# Altium PCB board.PcbDoc (part 2 of 3) (continued)
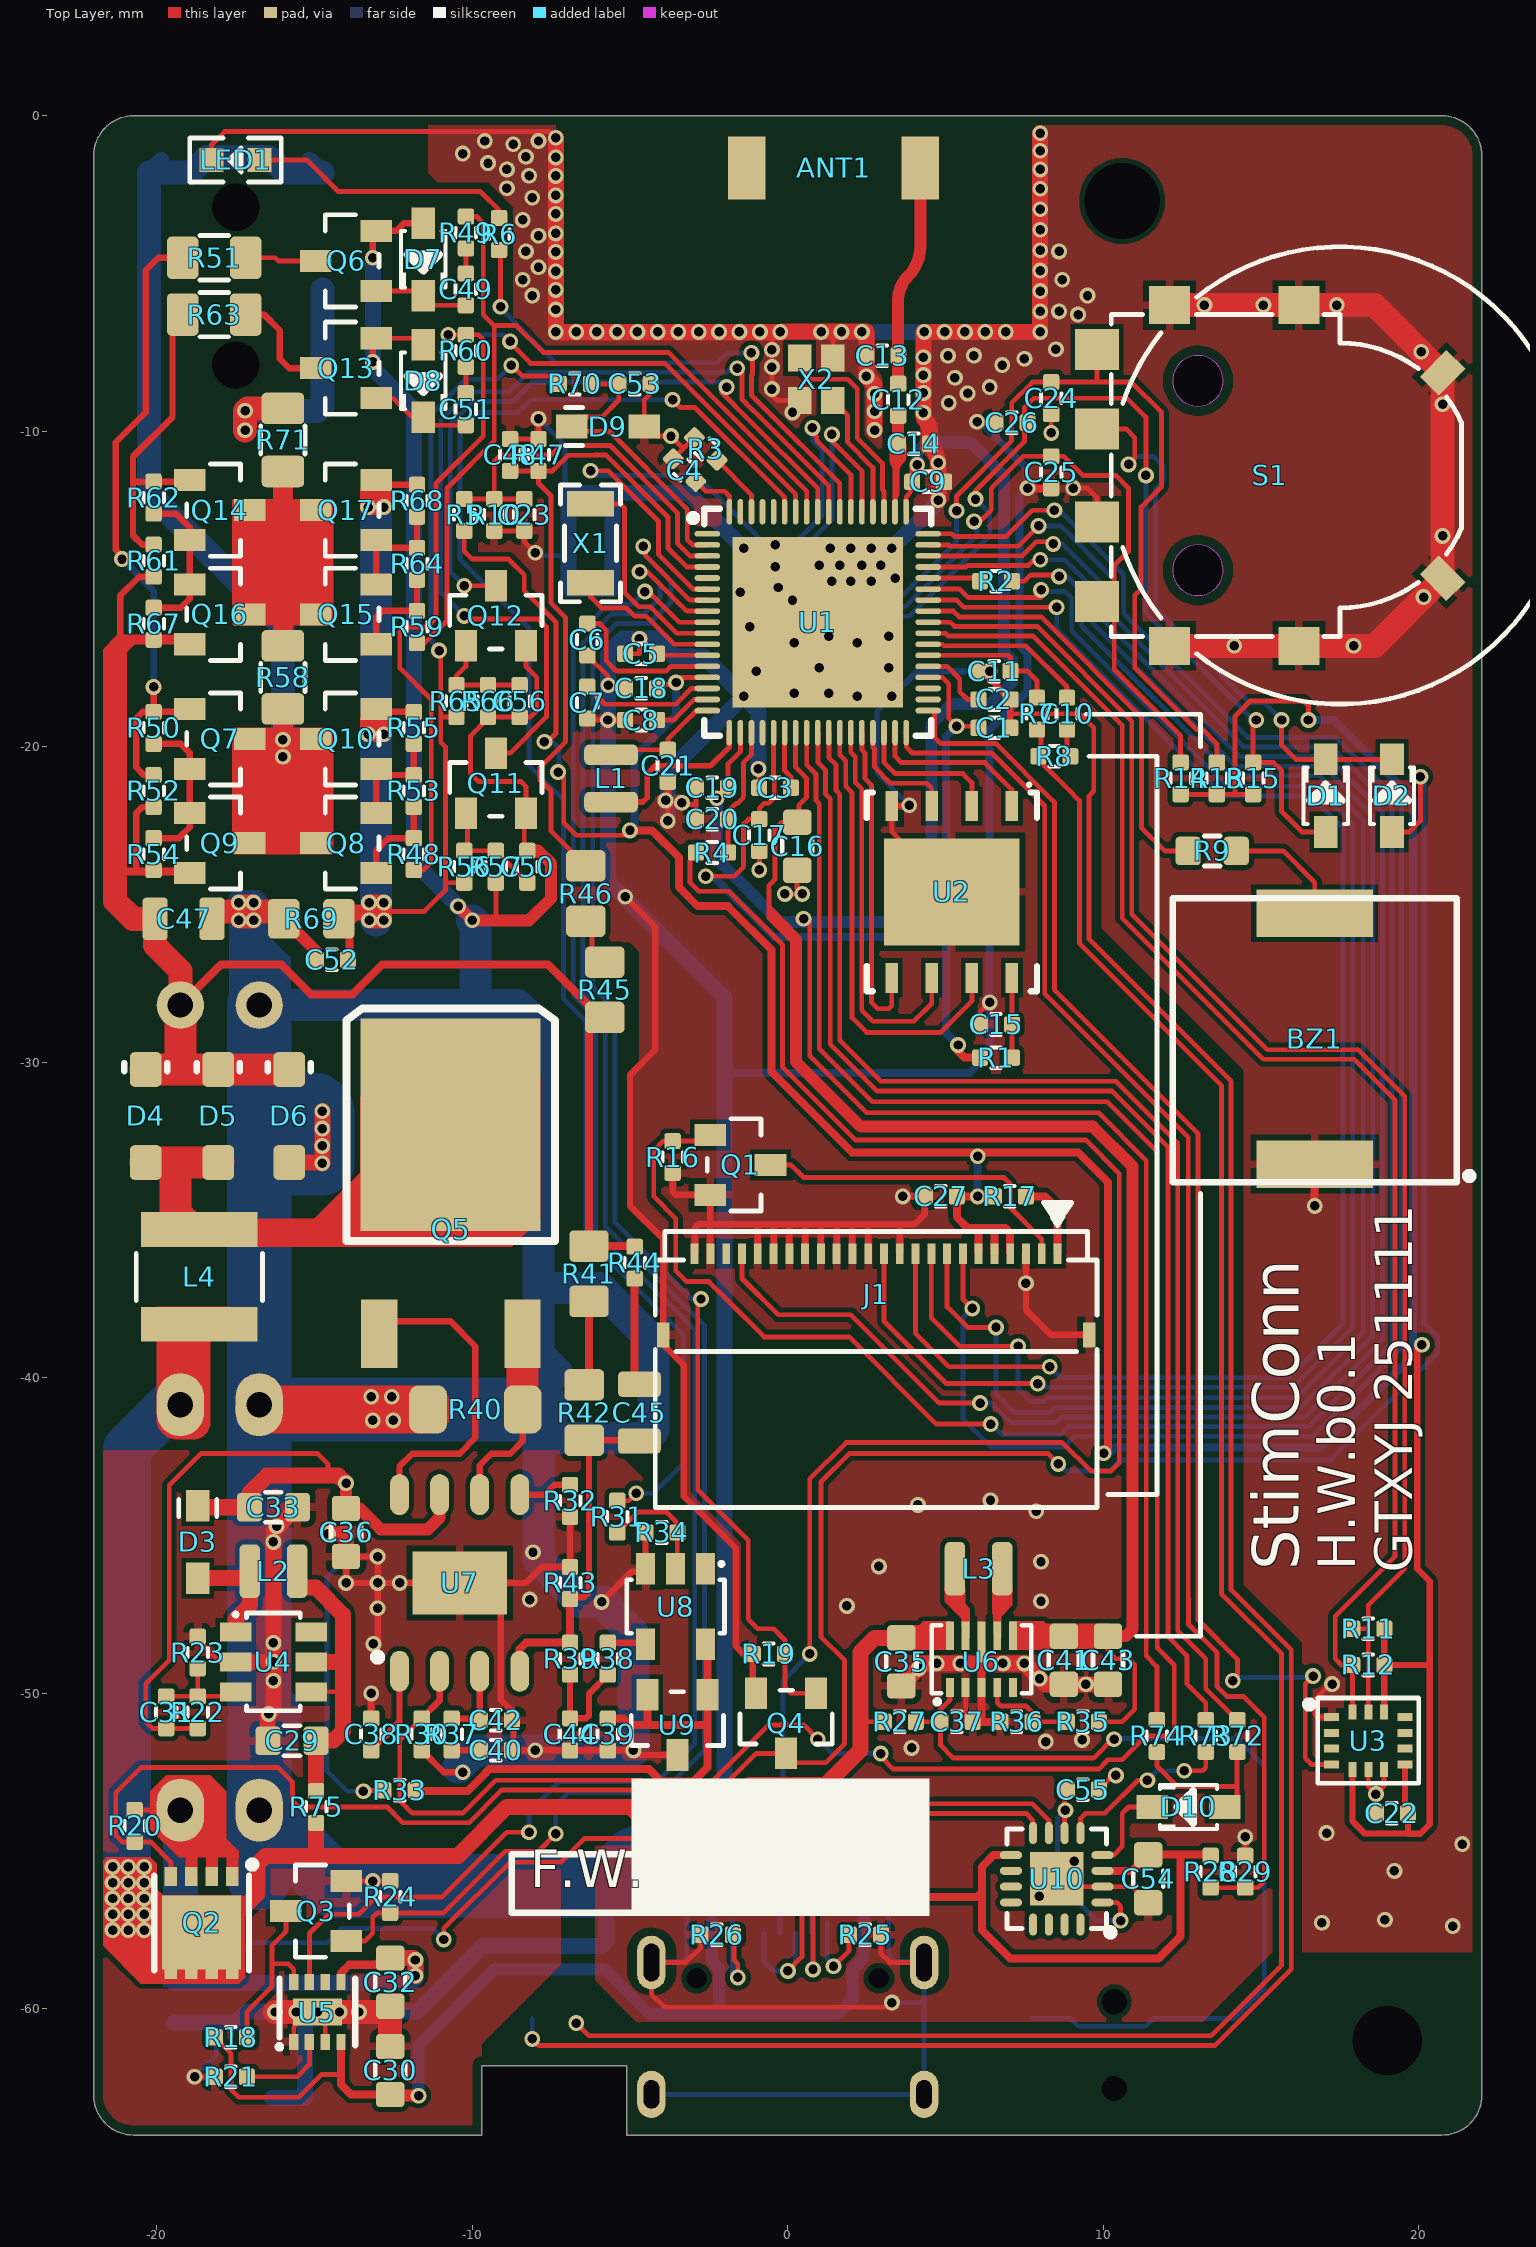
[diagram p0: Top Layer view]
## Nets (pads, with @x,y where several pads share a name; then routed paths per layer and width w, separated by ;. In a path a pad name is that pad's centre, name@x,y a point inside that pad or via, vN(x,y) a via of type N, cw(c..) or ccw(c..) an arc to the next point about the centre after c; other vN are vias at no path point) (continued)
NetC40_2: C40.2 R37.1 | length 1
  Top Layer w0.203: R37.1@-10.7,-51.808 -10.692,-51.8 C40.2@-9.708,-51.8
NetC42_2: C42.2 R37.2 U7.3 | length 2.5
  Top Layer w0.203: R37.2@-10.7,-50.792 -10.692,-50.8 -9.708,-50.8 -9.765,-50.743 U7.3@-9.765,-49.3
NetC44_2: C44.2 R38.1 R39.2 | length 3.6
  Top Layer w0.203: R39.2@-6.9,-49.408 C44.2@-6.9,-50.792 -6.392,-50.792 -6.3,-50.7 -6.3,-50.008 R38.1@-5.7,-49.408
NetC45_2: C45.2 R44.1 | length 3.4
  Top Layer w0.254: R44.1@-4.85,-36.858 -4.85,-40.05 C45.2@-4.7,-40.2
NetC49_1: C49.1 R49.1 | length 0.8
  Top Layer w0.152: C49.1@-10.2,-4.992 R49.1@-10.2,-4.208
NetC49_2: C49.2 D7.2 Q6.B | length 3.1
  Top Layer w0.152: Q6.B@-13.047,-5.65 Q6.B@-12.989,-5.592 ; Q6.B@-13.047,-5.55 -11.7,-5.55 D7.2@-11.55,-5.7 -11.242,-6.008 C49.2@-10.2,-6.008
NetC50_2: C50.2 Q11.B R56.2 R57.1 | length 3.5
  Top Layer w0.152: Q11.B@-10.2,-22.103 -10.15,-22.153 -10.15,-23.292 R57.1@-9.25,-23.292 -8.35,-24.192 C50.2@-8.35,-24.308
NetC51_1: C51.1 D8.2 Q13.B | length 3.2
  Top Layer w0.152: Q13.B@-13.047,-8.95 -12.5,-8.95 -11.9,-9.55 D8.2@-11.55,-9.55 -11.292,-9.808 C51.1@-10.2,-9.808
NetC51_2: C51.2 R60.1 | length 0.8
  Top Layer w0.152: C51.2@-10.2,-8.792 R60.1@-10.2,-7.958
NetC52_2: C52.2 Q10.E Q17.E R55.1 R56.1 R65.1 R68.1 R69.1 R70.2 | length 47.7
  Top Layer w0.152: -12.8,-25.218 -11.518,-25.218 -10.85,-24.55 -10.85,-24.324 ; v1(-11.05,-16.95) -10.995,-17.005 -10.995,-19.058 ; R65.1@-10.5,-19.058 -10.995,-19.058 ; R56.1@-10.25,-24.308 -10.834,-24.308 -10.85,-24.324 ; v1(-8.763,-7.913) -8.737,-7.913 -8.4,-8.25 R70.2@-7.258,-8.25 ; -10.995,-19.058 -10.995,-19.855 -10.85,-20 -10.85,-24.324
  Top Layer w0.203: Q10.E@-13.105,-18.892 -13.089,-18.892 Q10.E@-13.005,-18.892 ; Q10.E@-13.047,-18.85 Q10.E@-13.005,-18.892 ; Q17.E@-13.047,-11.65 -13.005,-11.692 R68.1@-11.75,-11.692 ; R55.1@-11.85,-18.892 Q10.E@-13.005,-18.892
  Top Layer w0.254: R69.1@-14.024,-25.55 -13.892,-25.682 C52.2@-13.892,-26.75
  Top Layer w0.508: R69.1@-14.024,-25.55 -13.724,-25.25 -13.269,-25.25 ; Q10.E@-13.047,-18.85 -13.089,-18.892 -13.3,-19.103 v1(-13.3,-19.6) v1(-12.8,-19.6) -12.8,-19.097 Q10.E@-13.005,-18.892 ; Q17.E@-13.047,-11.65 -13.3,-11.903 v1(-13.3,-12.4) v1(-12.8,-12.4) -12.8,-11.897 Q17.E@-13.005,-11.692 ; -13.269,-25.25 v1(-13.269,-24.935) v1(-12.8,-24.935) -12.8,-25.218 v1(-12.8,-25.5) v1(-13.269,-25.5) -13.269,-25.25
  Bottom Layer w0.152: v1(-11.05,-16.95) -11.05,-16.887 -11.305,-16.632 -11.305,-9.455 -10.2,-8.35 -9.2,-8.35 v1(-8.763,-7.913)
  Bottom Layer w1.016: v1@-13.047,-25.5 v1@-13.047,-12.4
NetC56_2: C56.2 Q12.B R65.2 R66.1 | length 3.4
  Top Layer w0.152: Q12.B@-10.2,-16.803 -10.2,-17.45 -10.5,-17.75 R65.2@-10.5,-18.042 R66.1@-9.5,-18.042 C56.2@-8.5,-18.042
NetD1_2: D1.2 D2.2 S1.S | length 18.1
  Top Layer w0.152: S1.S@9.8,-9.925 10.725,-9.925 11,-10.2 11,-10.85 v1(10.8,-11.05) ; v1(15.65,-19.15) 15.65,-19.95 16.1,-20.4 D1.2@17.05,-20.4 D2.2@19.15,-20.4
  Bottom Layer w0.152: v1(10.8,-11.05) 11.05,-10.8 11.6,-10.8 11.9,-11.1 11.9,-11.6 11.655,-11.845 11.655,-15.624 14.631,-18.6 15.1,-18.6 v1(15.65,-19.15)
NetD3_1: D3.1 L2.2 U4.1 | length 3.5
  Top Layer w0.508: D3.1@-18.7,-46.35 -17.05,-46.35 -17.05,-47.2 -17.5,-47.65 U4.1@-17.5,-48.05
NetD4_1: D4.1 D5.1 L4.2 Q5.D | length 5
  Top Layer w1.016: D4.1@-20.35,-33.175 D5.1@-18.05,-33.175 ; -19.401,-33.2 -19.401,-34.8 -18.901,-35.3 L4.2@-18.586,-35.3
  Top Layer w2.032: Q5.D@-10.711,-31.55 Q5.D@-10.686,-31.575
NetD10_1: D10.1 R72.2 R74.2 | length 5.4
  Top Layer w0.152: R74.2@11.7,-51.858 11.7,-52.3 12.35,-52.95 14.234,-52.95 ; D10.1@13.85,-53.6 14.234,-53.6 14.234,-53 14.234,-52.55 14.234,-51.874 R72.2@14.25,-51.858
NetD10_2: D10.2 U10.4 | length 2.8
  Top Layer w0.152: U10.4@9.975,-55.125 10.325,-55.125 10.6,-54.85 10.6,-53.8 10.8,-53.6 D10.2@11.55,-53.6
NetJ1_1: J1.1 R17.2 | length 2.6
  Top Layer w0.254: R17.2@7.55,-34.25 8.15,-34.25 8.55,-34.65 J1.1@8.55,-36.062
NetJ1_2: J1.2 Q1.D | length 10.5
  Top Layer w0.152: Q1.D@-0.547,-33.25 0.1,-33.25 0.5,-33.65 6.85,-33.65 7.05,-33.85 7.05,-34.6 8.05,-35.6 J1.2@8.05,-36.062
NetJ3_A5: J3.A5 R25.2 | length 2.7
  Top Layer w0.152: v1(1.45,-58.65) 1.942,-58.158 R25.2@1.942,-57.65
  Bottom Layer w0.152: J3.A5@1.25,-57.248 1.25,-58.45 v1(1.45,-58.65)
NetJ3_B5: J3.B5 R26.2 | length 3.3
  Top Layer w0.152: R26.2@-1.742,-57.65 -1.7,-57.692 -1.7,-58.45 -1.582,-58.568 v1(-1.582,-59)
  Bottom Layer w0.152: J3.B5@-1.75,-57.248 -1.75,-58.9 -1.65,-59 v1(-1.582,-59)
NetJ4_1: J4.1 J4.3 J4.4 J4.11 Q7.C Q8.C Q9.C Q10.C R58.1 | length 29.6
  Top Layer w0.635: -16,-20.95 v1(-16,-20.314) v1(-16,-19.778) R58.1@-16,-18.676
  Bottom Layer w0.508: J4.1@-20.25,-1.8 J4.1@-19.85,-1.4 ; J4.4@-15.15,-1.4 J4.4@-14.75,-1.8
  Bottom Layer w0.762: v1(-16,-20.314) v1(-16,-19.778) -16,-16.2 -20.25,-11.95 J4.11@-20.25,-9.2 J4.3@-20.25,-5.5 J4.1@-20.25,-1.8 -18.9,-1.8 -18.4,-1.3 -16.45,-1.3 -15.95,-1.8 J4.4@-14.75,-1.8
NetJ4_2: J4.2 J4.10 R71.1 | length 9.5
  Top Layer w0.762: R71.1@-15.828,-9.274 -17.124,-9.274 v1(-17.2,-9.35) ; v1(-17.2,-9.35) v1(-17.2,-9.968) -17.2,-9.674 v1(-17.2,-9.35)
  Bottom Layer w0.762: v1(-17.2,-9.968) v1(-17.2,-9.35) -14.9,-9.35 J4.10@-14.75,-9.2 J4.2@-14.75,-5.5
NetL1_1: L1.1 U1.18 | length 5.4
  Top Layer w0.178: L1.1@-5.6,-21.75 -4.6,-21.75 -4.45,-21.6 -4.45,-20.85 -4.2,-20.6 -2.45,-20.6 -1.85,-20 U1.18@-1.85,-19.55
NetL3_1: L3.1 U6.9
NetL3_2: L3.2 U6.7
NetLED1_1: LED1.1 R6.1 | length 8.5
  Top Layer w0.152: LED1.1@-16.738,-1.4 -15.25,-1.4 -14.25,-2.4 -9.75,-2.4 -9.15,-3 R6.1@-9.15,-3.242
NetMIC1_1: MIC1.1 R7.1 R8.1 | length 66
  Top Layer w0.152: v1(-6.7,-60.45) -6.3,-60.85 -2.994,-60.85 13.419,-60.85 15.65,-58.619 15.65,-48.75 13.745,-46.845 13.745,-30.726 9.245,-26.226 9.245,-21.703 8.872,-21.33 8.026,-20.484 8.026,-19.584 R7.1@7.9,-19.458
  Bottom Layer w0.152: v1(-6.7,-60.45) MIC1.1@-6.7,-60.3
NetQ5_G: Q5.G U7.8 | length 10
  Top Layer w0.203: Q5.G@-12.947,-38.2 -10.7,-38.2 -9.9,-39 -9.9,-41.9 -10.4,-42.4 -11.9,-42.4 -12.305,-42.805 U7.8@-12.305,-43.7
NetQ5_S: Q5.S R40.2 U7.6 | length 6.4
  Top Layer w0.203: U7.6@-9.765,-43.7 -9.765,-42.765 -9.4,-42.4 -8.8,-42.4 -8.4,-42 R40.2@-8.4,-41
  Top Layer w1.016: R40.2@-8.4,-41 Q5.S@-8.4,-38.2
NetQ6_C: Q6.C R51.2 | length 2.3
  Top Layer w0.152: R51.2@-17.176,-4.5 -16.25,-4.5 -16.15,-4.6 Q6.C@-14.953,-4.6
NetQ7_B: Q7.B R50.2 R51.1 R52.2 | length 20.2
  Top Layer w0.152: Q7.B@-18.995,-18.892 Q7.B@-18.953,-18.85
  Top Layer w0.203: v1(-21.1,-14.05) -21.1,-13.956 -21.3,-13.756 -21.3,-10.344 -20.35,-9.394 -20.35,-4.9 -19.95,-4.5 R51.1@-19.176,-4.5 ; R52.2@-20.1,-20.892 -20.408,-20.892 -20.65,-20.65 -20.65,-19.1 -20.442,-18.892 R50.2@-20.1,-18.892 ; v1(-20.1,-18.1) R50.2@-20.1,-18.892 ; Q7.B@-18.995,-18.892 R50.2@-20.1,-18.892
  Bottom Layer w0.203: v1(-21.1,-14.05) -20.1,-15.05 v1(-20.1,-18.1)
NetQ7_E: Q7.E Q9.B R50.1 R54.2 | length 4.9
  Top Layer w0.203: R54.2@-20.1,-22.892 -19.292,-22.892 -18.953,-22.553 -18.953,-22.05 -18.953,-20.75 -18.953,-20.197 -19.242,-19.908 R50.1@-20.1,-19.908
NetQ8_B: Q8.B R48.1 R53.1 | length 3
  Top Layer w0.203: Q8.B@-13.047,-23.95 -13.047,-23.297 -12.642,-22.892 R48.1@-11.85,-22.892 R53.1@-11.85,-21.908
NetQ8_E: Q8.E Q10.B R53.2 R55.2 | length 3.6
  Top Layer w0.203: Q8.E@-13.047,-22.05 -13.047,-20.75 Q10.B@-12.905,-20.892 ; Q10.B@-13.005,-20.892 R53.2@-11.85,-20.892 R55.2@-11.85,-19.908
NetQ13_C: Q13.C R63.2 | length 3.7
  Top Layer w0.203: R63.2@-17.424,-6.3 -16.6,-6.3 -16.1,-6.8 -16.1,-7.7 -15.8,-8 Q13.C@-14.953,-8
NetQ14_B: Q14.B R61.2 R62.2 R63.1 | length 10.2
  Top Layer w0.203: R62.2@-20.108,-11.6 -20.75,-11.6 ; R61.2@-20.1,-13.592 -20.458,-13.592 -20.75,-13.3 -20.75,-11.6 ; R62.2@-20.1,-11.6 Q14.B@-19.003,-11.6 ; R63.1@-19.176,-6.3 -19.5,-6.624 -19.5,-9.55 -20.75,-10.8 -20.75,-11.6
NetQ14_E: Q14.E Q16.B R62.1 R67.2 | length 5.1
  Top Layer w0.203: R67.2@-20.1,-15.592 -19.242,-15.592 -18.953,-15.303 Q16.B@-18.953,-14.75 ; R62.1@-20.1,-12.608 -19.392,-12.608 -18.953,-13.047 Q14.E@-18.953,-13.55 ; Q16.B@-18.953,-14.85 Q14.E@-18.953,-13.45
NetQ15_B: Q15.B R59.1 R64.1 | length 3.1
  Top Layer w0.203: Q15.B@-13.047,-16.65 -13.047,-15.897 -12.842,-15.692 R59.1@-11.75,-15.692 R64.1@-11.75,-14.708
NetQ15_E: Q15.E Q17.B R64.2 R68.2 | length 3.5
  Top Layer w0.203: Q15.E@-13.047,-14.75 -13.047,-13.55 -12.905,-13.692 R64.2@-11.75,-13.692 R68.2@-11.75,-12.708
NetR2_1: R2.1 U1.47 | length 1.7
  Top Layer w0.152: U1.47@4.45,-14.65 5.992,-14.65 R2.1@6.092,-14.75
NetR3_1: R3.1 U1.66 | length 2.1
  Top Layer w0.152: R3.1@-2.241,-10.918 -1.15,-12.009 U1.66@-1.15,-12.55
NetR21_1: R21.1 U5.2 | length 2.9
  Top Layer w0.152: R21.1@-17.142,-62.15 -15.55,-62.15 -15.159,-61.759 U5.2@-15.159,-61.048
NetR31_1: R31.1 R34.1 U8.2 | length 3.9
  Top Layer w0.152: R31.1@-5.4,-44.908 -4.742,-44.25 -3.85,-44.25 -3.5,-44.6 R34.1@-3.5,-44.9 ; U8.2@-3.5,-46.1 R34.1@-3.5,-44.9 ; R34.1@-3.458,-44.858 R34.1@-3.5,-44.9
NetR32_2: R32.2 U7.5 | length 1.7
  Top Layer w0.203: U7.5@-8.495,-43.7 -7.7,-43.7 -7.392,-43.392 R32.2@-6.9,-43.392
NetR35_1: R35.1 R36.1 U6.4 | length 3.1
  Top Layer w0.152: U6.4@6.639,-49.819 6.639,-50.289 6.75,-50.4 7.55,-50.4 7.758,-50.608 R36.1@7.758,-50.9 R35.1@8.842,-50.9
NetR38_2: R38.2 U8.4 | length 1.3
  Top Layer w0.203: R38.2@-5.7,-48.392 -4.558,-48.392 U8.4@-4.45,-48.5
NetR41_1: R41.1 R42.2 | length 2.7
  Top Layer w0.254: R42.2@-6.45,-40.224 -6.3,-40.074 R41.1@-6.3,-37.576
NetR45_1: R45.1 R46.2 | length 1.5
  Top Layer w0.152: R46.2@-6.4,-25.526 -6.2,-25.726 -6.2,-26.424 R45.1@-5.8,-26.824
NetR73_2: R73.2 U10.5 | length 5.8
  Top Layer w0.152: U10.5@9.275,-54.425 9.275,-53.975 9.45,-53.8 10.05,-53.8 11.1,-52.75 v1(11.4,-52.75) ; v1(12.568,-52.45) 13.15,-52.45 13.25,-52.35 R73.2@13.25,-51.858 R73.2@13.442,-51.858
  Bottom Layer w0.152: v1(11.4,-52.75) 11.7,-52.45 v1(12.568,-52.45)
NetU1_10: U1.10 X1.2 | length 7
  Top Layer w0.152: X1.2@-6.25,-12.3 -5.3,-12.3 -5.176,-12.424 -5.176,-15.106 -4.724,-15.558 -4.361,-15.558 -3.519,-16.4 U1.10@-2.55,-16.4
NetU1_11: U1.11 X1.1 | length 4.8
  Top Layer w0.152: X1.1@-6.25,-14.8 -6.25,-15.25 -5.9,-15.6 -5.113,-15.6 -4.85,-15.863 -4.487,-15.863 -3.6,-16.75 U1.11@-2.55,-16.75
NetU1_54: U1.54 X2.1 | length 6.6
  Top Layer w0.152: X2.1@0.325,-7.725 0.325,-7.925 0.75,-8.35 1.9,-8.35 2.2,-8.65 2.2,-9.387 2.2,-10.219 3.005,-11.024 3.005,-11.855 3.05,-11.9 U1.54@3.05,-12.55
NetU1_55: U1.55 X2.3 | length 4.1
  Top Layer w0.152: X2.3@1.425,-9.025 1.895,-9.495 1.895,-10.345 2.7,-11.15 U1.55@2.7,-12.55
ODRV_A: R49.2 R59.2 U1.61 | length 28
  Top Layer w0.152: R59.2@-11.75,-16.708 -11.508,-16.708 -10.8,-16 -10.8,-11.8 -9.3,-10.3 -9.3,-6.65 ; R49.2@-10.2,-3.192 -9.858,-3.192 -9.65,-3.4 -9.65,-6.3 -9.3,-6.65 ; U1.61@0.6,-12.55 0.6,-11.893 -3.2,-8.093 -3.793,-7.5 -7.75,-7.5 -8.6,-6.65 -9.3,-6.65
ODRV_B: R48.2 R60.2 U1.62 | length 34
  Top Layer w0.152: R48.2@-11.85,-23.908 -11.558,-23.908 -11.3,-23.65 -11.3,-18.5 -12.3,-17.5 -12.3,-16.35 -12.15,-16.2 -11.431,-16.2 -11.15,-15.919 -11.15,-11.655 -9.65,-10.155 -9.65,-7.1 -9.808,-6.942 R60.2@-10.2,-6.942 v1(-10.758,-6.942) ; v1(-8.8,-7.15) -8.8,-7.2 -8.15,-7.85 -3.893,-7.85 -3.55,-8.193 0.25,-11.993 U1.62@0.25,-12.55
  Bottom Layer w0.152: v1(-10.758,-6.942) -9.008,-6.942 v1(-8.8,-7.15)
ODRV_LOAD_DET: Q12.C U1.60 | length 21.1
  Top Layer w0.152: v1(-10.253,-14.897) Q12.C@-9.25,-14.897 ; v1(-1.938,-8.6) -2.1,-8.762 -1.231,-9.631 0.95,-11.812 U1.60@0.95,-12.55
  Bottom Layer w0.152: v1(-10.253,-14.897) -10.695,-14.455 -10.695,-9.776 -9.971,-9.052 -8.694,-9.052 -8.076,-8.434 -2.103,-8.434 v1(-1.938,-8.6) v1@-1.8,-8.6
ODRV_OC_DET: Q11.C U1.59 | length 30
  Top Layer w0.152: v1(-10.25,-15.85) -10.15,-15.95 -7.9,-15.95 -7.65,-16.2 -7.65,-19.05 -8.797,-20.197 Q11.C@-9.25,-20.197 ; v1(-1.6,-8) -1.455,-8.145 -1.455,-8.976 -1.105,-9.326 -1.016,-9.416 1.3,-11.731 U1.59@1.3,-12.55
  Bottom Layer w0.152: v1(-10.25,-15.85) -11,-15.1 -11,-9.65 -10.097,-8.747 -8.82,-8.747 -8.203,-8.13 -2.144,-8.13 -2.136,-8.121 -1.921,-8.121 -1.8,-8 v1(-1.6,-8)
OUT_N: Q14.C Q15.C Q16.C Q17.C R58.2 R71.2 | length 5.5
  Top Layer w0.635: R58.2@-16,-16.8 R71.2@-16,-11.274
PWM_PCV: R31.2 U1.63 | length 50.7
  Top Layer w0.152: R31.2@-5.4,-43.892 -5.042,-43.892 v1(-4.805,-43.655) ; v1(-3.65,-9) -3.405,-9.245 -2.948,-9.245 -0.1,-12.093 U1.63@-0.1,-12.55
  Bottom Layer w0.152: v1(-4.805,-43.655) -4.255,-43.655 -3.3,-42.7 -3.3,-38.65 -6.4,-35.55 -6.4,-28.7 -7.105,-27.995 -7.105,-21.695 -8.2,-20.6 -8.2,-16.25 -10.39,-14.06 -10.39,-9.99 -9.8,-9.4 -8.55,-9.4 -8.15,-9 v1(-3.65,-9)
PWM_PIEZO: R9.1 U1.44 | length 13.4
  Top Layer w0.152: U1.44@4.45,-15.7 5.25,-15.7 5.431,-15.881 8.031,-15.881 11.21,-19.06 11.21,-22.56 11.95,-23.3 R9.1@12.688,-23.3
PWR_HOLD: Q4.G R19.2 U1.7 | length 45.2
  Top Layer w0.152: v1(-4.579,-13.65) -4.5,-13.65 -4.5,-13.95 -3.1,-15.35 U1.7@-2.55,-15.35 ; v1(-2.75,-37.5) -2.85,-37.6 -2.85,-39.5 -2.85,-43.55 -1.25,-45.15 -1.25,-47.65 -0.95,-47.95 -0.45,-47.95 -0.092,-48.308 R19.2@-0.092,-48.75 -0.092,-49.808 0.097,-49.997 Q4.G@0.9,-49.997
  Bottom Layer w0.152: v1(-4.579,-13.65) -4.579,-13.871 -3.7,-14.75 -3.7,-15.4 -4.392,-16.092 -5.441,-16.092 -6.183,-16.834 -6.183,-27.613 -5.478,-28.318 -5.478,-35.072 -3.05,-37.5 v1(-2.75,-37.5)
PWR_TRIG: D2.1 Q2.G Q4.D R20.1 | length 81.3
  Top Layer w0.152: Q2.G@-19.55,-55.8 -19.55,-55.35 -20.192,-54.708 R20.1@-20.7,-54.708 -21.092,-54.708 -21.3,-54.5 -21.3,-53.15 -20.5,-52.35 -16.15,-52.35 -15.7,-52.8 -15.7,-53.4 -15.5,-53.6 -12.7,-53.6 -12.2,-54.1 -10.1,-54.1 -9.06,-53.06 -4.84,-53.06 -4.4,-53.5 -3.1,-53.5 -3.095,-53.505 -2.605,-53.505 -1.003,-51.903 Q4.D@-0.05,-51.903 0.247,-52.2 1.2,-52.2 1.8,-51.6 1.8,-48.95 1.05,-48.2 1.05,-43.3 1.95,-42.4 8.25,-42.4 v1(8.576,-42.726) ; D2.1@19.15,-22.7 19.7,-22.7 20.05,-22.35 v1(20.05,-20.95)
  Bottom Layer w0.152: v1(8.576,-42.726) 8.8,-42.95 10.2,-42.95 10.55,-42.6 17.2,-42.6 20.6,-39.2 20.6,-38.7 20.321,-38.421 20.167,-38.267 20.167,-21.067 v1(20.05,-20.95)
SOC_4.1V: C16.2 C41.1 C43.1 R35.2 U1.24 U6.6 | length 42.6
  Top Layer w0.152: -0.6,-24.95 -0.6,-24.4 -0.4,-24.2 -0.4,-22.6 -0.188,-22.388 C16.2@0.3,-22.388 0.352,-22.336 0.352,-21.849 0.591,-21.61 0.591,-20.99 0.412,-20.811 0.25,-20.65 U1.24@0.25,-19.55 ; R35.2@9.858,-50.9 10.6,-50.9 11,-50.5 11,-49.1 10.8,-48.9 10.4,-48.9 10.15,-48.65 C43.1@10.15,-48.188
  Top Layer w0.381: -0.2,-25.65 0.256,-26.106 0.256,-29.977 2.318,-32.039 9.668,-32.039 10.925,-33.296 10.925,-47.975 10.712,-48.188 C43.1@10.15,-48.188
SOC_VSYS: C9.2 C19.1 R74.1 U1.19 U1.52 | length 67.7
  Top Layer w0.152: v1@-2.4,-21.63 v1(-2.25,-21.63) -2.222,-21.63 C19.1@-1.892,-21.3 -1.892,-20.542 -1.5,-20.15 U1.19@-1.5,-19.55 ; v1(0.5,-25.45) 0.695,-25.45 0.695,-29.795 2.5,-31.6 9.85,-31.6 11.364,-33.114 11.364,-48.814 11.7,-49.15 R74.1@11.7,-50.842 ; U1.52@3.75,-12.55 3.75,-12.155 cw(c3.955,-12.155) 3.81,-12.01 ccw(c3.491,-11.691) 3.942,-11.691 C9.2@3.942,-11.6 3.942,-11.108 4.05,-11 4.09,-11 v1@4.115,-11.024
  Bottom Layer w0.381: v1(-2.25,-21.63) -2.25,-23.55 -0.25,-25.55 4,-25.55 4.55,-25 4.55,-19.283 5.183,-18.65 6.4,-18.65 7.1,-17.95 7.1,-17.25 6.85,-17 6.85,-11.4 5.8,-10.35 4.4,-10.35 4.102,-10.648 v1(4.102,-11.062)
SYS_3.3V: C18.1 C22.2 C27.2 J1.4 J1.5 J1.6 R5.1 R11.1 R12.1 R13.2 R14.2 R15.2 R17.1 U1.14 U3.5 U3.8 U3.12 | length 126.5
  Top Layer w0.152: R5.1@-10.25,-13.358 -10.25,-13.8 -10,-14.05 -8.85,-14.05 -8.35,-14.55 -8.35,-15.05 -7.345,-16.055 -7.345,-19.576 -7.473,-19.705 -7.487,-19.705 -7.619,-19.837 v1(-7.713,-19.837) ; v1@-7.3,-20.85 -7.279,-20.829 v1(-7.279,-20.8) -7.1,-20.979 -7.1,-22.4 -6.7,-22.8 -5.15,-22.8 v1(-5,-22.65) ; C18.1@-4.142,-18.15 -4.02,-18.028 -3.605,-18.028 v1(-3.538,-17.962) -3.377,-17.8 U1.14@-2.55,-17.8 ; R14.2@12.45,-21.508 R13.2@13.6,-21.508 14.175,-21.508 ; R15.2@14.75,-21.508 14.175,-21.508 ; v1(16.5,-19.15) 16.5,-18.7 16.35,-18.55 14.65,-18.55 14.175,-19.025 14.175,-21.508
  Top Layer w0.203: U3.5@17.9,-52.412 17.9,-54.05 18.29,-54.44 19.658,-54.44 ; U3.12@18.9,-50.587 18.908,-50.58 R12.1@18.908,-49.1 ; R11.1@18.908,-47.95 R12.1@18.908,-49.1 ; U3.8@19.562,-52.25 19.562,-53.705 C22.2@19.658,-53.8 19.658,-54.44 ; v1(20.1,-38.95) 19.95,-39.1 19.95,-46.05 20.35,-46.45 20.35,-49.1 ; R12.1@18.908,-49.1 20.35,-49.1 ; 19.658,-54.44 19.668,-54.45 20.05,-54.45 20.35,-54.15 20.35,-49.1
  Top Layer w0.254: v1(-5,-22.65) -4.3,-22.65 -3.45,-23.5 -3.45,-24.45 -2.85,-25.05 -1.9,-25.05 -0.519,-26.431 -0.519,-30.298 2.033,-32.85 9.2,-32.85 10.15,-33.8 10.15,-42.25 v1(10.011,-42.389) ; C27.2@5.358,-34.25 5.358,-34.908 5.7,-35.25 6.05,-35.25 ; C27.2@5.508,-34.25 v1(6.021,-34.25) R17.1@6.534,-34.25 ; J1.6@6.05,-36 6.05,-35.25 ; J1.5@6.55,-36.062 6.55,-35.3 ; J1.4@7.05,-36.05 7.05,-35.4 6.9,-35.25 6.05,-35.25
  Bottom Layer w0.152: v1(-7.713,-19.837) -7.463,-19.837 -7.25,-20.05 -7.25,-20.8 v1(-7.279,-20.8)
  Bottom Layer w0.203: 19.811,-38.97 20.08,-38.97 v1(20.1,-38.95)
  Bottom Layer w0.254: v1(-5,-22.65) -4.85,-22.5 -4.85,-20.3 -3.538,-18.988 v1(-3.538,-17.962) ; v1(6.021,-34.25) v1(6.021,-32.979) ; v1(10.011,-42.389) 10.193,-42.389 10.377,-42.206 16.894,-42.206 19.811,-39.289 19.811,-38.97 19.811,-21.658 17.303,-19.15 v1(16.5,-19.15)
SYS_VBAT: C28.1 C32.1 J2.1 Q2.S R4.1 R20.2 U5.5 | length 93.7
  Top Layer w0.152: R20.2@-20.7,-53.692 -19.258,-53.692 C28.1@-19.25,-53.7 ; v1(-10.9,-57.8) -10.9,-57.45 -8.8,-55.35 -7.2,-55.35 -6.45,-54.6 -2.15,-54.6 -1.2,-53.65 -0.2,-53.65 v1(-0.15,-53.7) ; R4.1@-2.908,-23.35 -3.086,-23.528 -3.086,-23.614 -3.094,-23.623 -3.094,-24.303 -2.817,-24.58 -1.863,-24.58 -0.163,-26.28 -0.163,-30.151 2.145,-32.458 9.438,-32.458 10.506,-33.526 10.506,-42.694 10.25,-42.95 9.6,-42.95 8.7,-42.05 4.1,-42.05 1.85,-42.05 0.7,-43.2 v1(0.7,-48.75)
  Top Layer w0.254: U5.5@-14.159,-59.148 -14.159,-58.859 -13.9,-58.6 -13.05,-58.6 C32.1@-12.838,-58.388
  Top Layer w0.381: C28.1@-19.25,-54.65 C28.1@-19.25,-53.7 ; Q2.S@-18.9,-55.8 -18.9,-55 ; Q2.S@-18.25,-55.8 -18.25,-55.15 ; Q2.S@-17.6,-55.8 -17.6,-55.2
  Top Layer w0.508: C32.1@-12.6,-58.388 -11.862,-58.388 v1(-11.8,-58.45) v1(-11.8,-58.95)
  Bottom Layer w0.152: -17.925,-59.175 -18.1,-59 -17,-57.9 -14.6,-57.9 -14.15,-57.45 -11.25,-57.45 v1(-10.9,-57.8) ; v1(-0.15,-53.7) -0.15,-49.6 v1(0.7,-48.75)
  Bottom Layer w0.508: J2.1@-19.45,-59.175 -17.925,-59.175 -11.925,-59.175 -11.8,-59.05 v1(-11.8,-58.45) v1(-11.8,-58.95)
  Bottom Layer w1.016: -19.25,-58.55 C28.1@-19.25,-53.7
SYS_VBUS: C34.1 C35.1 L4.1 Q2.D R27.2 R75.1 U6.10 | length 48.3
  Top Layer w0.152: 2.3,-50.905 2.305,-50.9 R27.2@3.042,-50.9
  Top Layer w0.508: Q2.D@-18.575,-57.575 -18.275,-57.575 -17.65,-56.95 -17.41,-56.95 -16.8,-56.34 -16.8,-55.4 -16.55,-55.15 -14.953,-55.15 ; R75.1@-14.95,-54.108 -14.95,-55.147 -14.953,-55.15 ; C35.1@3.6,-48.238 2.762,-48.238 2.3,-48.7 2.3,-50.905 2.3,-51.8 1.2,-52.9 -1.2,-52.9 -2.4,-54.1 -4.5,-54.1 -5,-53.6 -8.9,-53.6 -10.45,-55.15 -14.953,-55.15
  Top Layer w1.524: C34.1@-19.25,-41.15 C34.1@-19.25,-40.9
  Bottom Layer w1.524: v1@-20.938,-57.3 -20.938,-55.5 -20.938,-42.238 C34.1@-19.25,-40.55
  other v1: -21.4,-57.5 -20.9,-57.5 -20.4,-57.5 -21.4,-57 -20.9,-57 -20.4,-57 -21.4,-56.5 -20.9,-56.5 -20.4,-56.5 -21.4,-56 -20.9,-56 -20.4,-56 -21.4,-55.5 -20.9,-55.5 -20.4,-55.5
USB_DM: J3.A7 J3.B7 U10.8 | length 15.4
  Top Layer w0.152: v1(0.8,-58.75) 0.8,-55.6 2.595,-53.805 7.555,-53.805 7.765,-54.015 7.765,-54.415 U10.8@7.775,-54.425
  Bottom Layer w0.152: J3.A7@-0.25,-57.592 -0.25,-56.7 -0.1,-56.55 0.55,-56.55 0.75,-56.75 J3.B7@0.75,-57.592 0.8,-57.642 v1(0.8,-58.75)
USB_DP: J3.A6 J3.B6 U10.7 | length 15.9
  Top Layer w0.152: v1(0.004,-58.796) 0.45,-58.35 0.45,-55.45 2.4,-53.5 7.75,-53.5 8.275,-54.025 U10.7@8.275,-54.425
  Bottom Layer w0.152: J3.B6@-0.75,-57.592 -0.75,-58.5 -0.454,-58.796 v1(0.004,-58.796) 0.25,-58.55 J3.A6@0.25,-57.592
VCC_HV: C46.1 C47.2 D4.2 D5.2 D6.2 Q9.E Q16.E R41.2 R44.2 R45.2 R52.1 R54.1 R61.1 R67.1 | length 50.1
  Top Layer w0.203: -21.319,-21.941 -21.286,-21.908 ; -21.15,-16.75 -21.15,-15.2 -20.558,-14.608 R61.1@-20.1,-14.608 ; -20.727,-23.95 -20.65,-23.873 -20.65,-22.1 -20.458,-21.908 R52.1@-20.1,-21.908 ; R41.2@-6.3,-35.824 R41.2@-6.268,-35.792
  Top Layer w0.254: -21.15,-23.782 -20.982,-23.95 -20.727,-23.95 Q9.E@-18.953,-23.95 ; C46.1@-19.25,-28.186 -17.964,-26.9 -16.05,-26.9 -15.1,-27.85 -13.8,-27.85 -12.85,-26.9 -7.6,-26.9 -6.3,-28.2 -6.3,-28.576 R41.2@-6.3,-35.824 -4.868,-35.824 R44.2@-4.85,-35.842
  Top Layer w0.762: -21.319,-17.55 -21.319,-21.941 -21.319,-24.881 -20.75,-25.45 C47.2@-20.05,-25.45 -20.05,-26.3 -19.25,-27.1 C46.1@-19.25,-28.186
  Top Layer w1.016: D4.2@-20.35,-30.225 -19.377,-30.225 ; C46.1@-19.25,-28.186 -19.25,-30.098 -19.377,-30.225 ; D6.2@-15.8,-30.225 D5.2@-18.05,-30.225 -19.377,-30.225
VIN_USB: C30.1 C54.1 J3.A4/B9 J3.B4/A9 R18.2 R28.2 U5.4 U10.3 U10.9 | length 53.7
  Top Layer w0.152: R18.2@-18.158,-60.9 -17.65,-61.408 -17.65,-62.55 -17.4,-62.8 -15.5,-62.8 -14.78,-62.08 -14.159,-62.08
  Top Layer w0.254: U5.4@-14.159,-61.048 -14.159,-62.08 -14.159,-62.391 -13.838,-62.712 C30.1@-12.6,-62.712 ; v1(2.4,-56.45) 6.012,-56.45 6.15,-56.312 ; U10.9@7.075,-55.125 6.525,-55.125 6.15,-55.5 6.15,-56.312 ; U10.3@9.975,-55.625 10.913,-55.625 C54.1@11.425,-55.113 12.45,-55.113 ; R28.2@13.45,-55.1 13.437,-55.113 12.45,-55.113 ; 6.15,-56.312 6.15,-57.5 7.05,-58.4 11.75,-58.4 12.45,-57.7 12.45,-55.113
  Top Layer w0.381: C30.1@-12.6,-62.712 -12.562,-62.75 v1(-11.7,-62.75)
  Bottom Layer w0.381: v1(-11.7,-62.75) -11.7,-61.15 -9.3,-58.75 -5.8,-58.75 -4.4,-60.15 -2.175,-60.15 ; J3.B4/A9@-2.4,-57.248 -2.4,-58.5 -2.175,-58.725 -2.175,-60.15 ; J3.A4/B9@2.4,-57.592 v1(2.4,-56.45) ; J3.A4/B9@2.4,-57.248 2.4,-58.4 2.05,-58.75 2.05,-59.7 1.6,-60.15 -2.175,-60.15
VUSB_DET: R28.1 R29.2 U1.34 | length 44.7
  Top Layer w0.152: U1.34@3.75,-19.55 3.755,-19.555 3.755,-20.005 3.945,-20.195 6.464,-20.195 8.145,-21.876 8.145,-27.826 12.695,-32.376 12.695,-46.976 12.7,-46.981 12.7,-47.8 13.6,-48.7 13.6,-49.223 13.6,-49.777 13.918,-50.095 13.926,-50.095 13.931,-50.1 14.45,-50.1 15.1,-50.75 15.1,-55.95 14.892,-56.158 R29.2@14.5,-56.158 R28.1@13.4,-56.158
WCH_3V3: C55.2 U10.1 U10.6 | length 7.2
  Top Layer w0.152: U10.6@8.775,-54.425 8.775,-53.725 v1(8.8,-53.7) 8.775,-53.675 8.775,-53.317 C55.2@8.842,-53.25 ; U10.1@9.975,-56.625 10.425,-56.625 10.55,-56.75 v1(10.55,-57.2)
  Bottom Layer w0.152: v1(8.8,-53.7) 8.55,-53.95 8.55,-55.95 9.8,-57.2 v1(10.55,-57.2)
pads on no net: ANT1.2 J1.22 J3.0 J3.A8 J3.B8 J4.MH S2.SHELL U1.1 U1.5 U1.21 U1.36 U1.37 U1.64 U1.65 U1.67 U3.2 U3.3 U3.9 U3.10 U3.11 U4.6 U5.6 U6.5 U8.1 U10.10 U10.11 U10.12 U10.13 U10.14 U10.15 U10.16

## Polygon pours and split planes (outlines as drawn)
GND on Bottom Layer "GND_L02_P001" (solid, remove dead copper, pour order 1): -12.2,0 -12.2,-8 -11.6,-8.6 -11.6,-20.4 -7.8,-24.2 -7.8,-28 -7.1,-28.7 -7.1,-35.3 -3.6,-38.8 -3.6,-51.7 -5.9,-54 -5.9,-58 -6.3,-58.4 -9,-58.4 -10,-59.4 -10,-64 -21.1,-64 -22,-63.1 -22,-23.1 -21.3,-22.4 -15.3,-22.4 -14.7,-21.8 -14.7,-11.7 -13.4,-10.4 -13.4,0
GND on Bottom Layer "GND_L02_P000" (solid, remove dead copper, pour order 0): -11.4,0 -11.4,-7.5 -9.4,-9.5 -9.4,-21.7 -8.4,-22.7 -8.4,-25.396 -5.783,-28.013 -5.783,-35.641 -2.637,-38.786 -2.637,-51.207 -5.2,-53.77 -5.2,-63.9 -5.1,-64 21.3,-64 22,-63.3 22,-0.7 21.3,0 8,0 8,-6.85 -7.35,-6.85 -7.35,-0.05 -7.4,0
GND on Top Layer "GND_L01_P002" (solid, remove dead copper, pour order 2): -11.4,0 -11.4,-1.8 -11.1,-2.1 -9.5,-2.1 -8.7,-2.9 -8.7,-6.4 -9.1,-6.8 -9.1,-10.1 -9.811,-10.811 -9.811,-14.05 -9.05,-14.05 -7.345,-15.755 -7.345,-20.145 -7.85,-20.65 -7.276,-21.224 -7.276,-22.898 -7,-23.174 -7,-26.1 -7.1,-26.2 -5,-26.2 -4.7,-26.5 -4.7,-30.1 -5,-30.4 -5,-34.55 -3.95,-35.6 -3.95,-38.95 -3.3,-39.6 -3.3,-43.75 -1.65,-45.4 -1.65,-54.1 -2.15,-54.6 -6.108,-54.6 -6.108,-59.092 -4.8,-60.4 13.2,-60.4 15.4,-58.2 22,-58.2 22,-0.9 21.1,0
GND on Top Layer "GND_L01_P003" (solid, remove dead copper, pour order 3): -22,-42.3 -5.45,-42.3 -3.15,-44.6 -3.15,-52.5 -3.2,-52.55 -6.2,-52.55 -7.2,-53.55 -7.2,-58.6 -9.7,-61.1 -9.7,-63.95 -9.75,-64 -21.15,-64 -22,-63.15 -22,-42.35

## Other copper
Top Layer:
  pour cut-out: 2.75,-7.788 ccw(c3.262,-7.788) 2.9,-8.15 cw(c2.659,-8.391) 3,-8.391 3,-13.35 3.75,-13.35 3.75,-11.441 cw(c4.091,-11.441) 3.85,-11.2 ccw(c3.005,-10.355) 4.2,-10.355 4.2,-9.921 ccw(c4.029,-9.921) 4.15,-9.8 cw(c4.391,-9.559) 4.05,-9.559 4.05,-6.75 2.75,-6.75
  pour cut-out: -5.084,-60.6 cw(c-5.084,-59.234) -6.05,-60.2 ccw(c-6.654,-60.804) -6.654,-59.95 -7.888,-59.95 ccw(c-7.888,-60.462) -8.25,-60.1 ccw(c-7.405,-60.945) -8.6,-60.945 -8.6,-60.95 ccw(c-8.359,-60.95) -8.529,-61.121 -8.35,-61.3 ccw(c-7.867,-60.817) -7.867,-61.5 13.8,-61.5 16.3,-59 16.3,-48.4 14.45,-46.55 14.45,-30.25 9.95,-25.75 9.95,-19.25 9.4,-18.7 7.45,-18.7 7.45,-19.25 9.2,-19.25 9.3,-19.35 9.3,-20.6 8.95,-20.95 8.95,-26.5 13.35,-30.9 13.35,-47 15.35,-49 15.35,-58.2 13.1,-60.45 -3.9,-60.45 -4.05,-60.6
  region net NetC12_1: 3.32,-12.62 3.32,-11.17 ccw(c3.248,-11.17) 3.299,-11.119 3.29,-11.11 cw(c3.411,-10.989) 3.24,-10.989 3.24,-10.4 3.75,-10.4 3.75,-10.793 cw(c3.443,-10.793) 3.66,-11.01 ccw(c3.974,-11.324) 3.53,-11.324 3.53,-11.998 cw(c3.428,-11.998) 3.5,-12.07 ccw(c3.548,-12.118) 3.48,-12.118 3.48,-12.63
  region net SYS_VBUS: -18.3,-38.05 -18,-37.75 -17.7,-37.75 -20,-37.75 -20,-41.3 ccw(c-19.35,-41.3) -19.35,-41.95 -18.85,-41.95 ccw(c-18.85,-41.4) -18.3,-41.4
  region net NetJ4_1: -17.6,-19.45 cw(c-17.55,-19.45) -17.55,-19.4 -14.45,-19.4 cw(c-14.45,-19.45) -14.4,-19.45 -14.4,-23.35 cw(c-14.45,-23.35) -14.45,-23.4 -17.55,-23.4 cw(c-17.55,-23.35) -17.6,-23.35
  region net OUT_N: -17.6,-12.2 cw(c-17.55,-12.2) -17.55,-12.15 -14.45,-12.15 cw(c-14.45,-12.2) -14.4,-12.2 -14.4,-16.1 cw(c-14.45,-16.1) -14.45,-16.15 -17.55,-16.15 cw(c-17.55,-16.1) -17.6,-16.1
  pour cut-out: -4.331,-63.751 cw(c-4.331,-63.001) -5.081,-63.001 -5.081,-62.351 cw(c-4.331,-62.351) -4.331,-61.601 cw(c-4.331,-62.401) -3.531,-62.401 -3.531,-63.001 cw(c-4.281,-63.001) -4.281,-63.751
  pour cut-out: 4.309,-63.751 cw(c4.309,-63.001) 3.559,-63.001 3.559,-62.351 cw(c4.309,-62.351) 4.309,-61.601 cw(c4.309,-62.401) 5.109,-62.401 5.109,-63.001 cw(c4.359,-63.001) 4.359,-63.751
  pour cut-out: 4.309,-59.571 cw(c4.309,-58.821) 3.559,-58.821 3.559,-58.171 cw(c4.309,-58.171) 4.309,-57.421 cw(c4.309,-58.221) 5.109,-58.221 5.109,-58.821 cw(c4.359,-58.821) 4.359,-59.571
  pour cut-out: -4.331,-59.571 cw(c-4.331,-58.821) -5.081,-58.821 -5.081,-58.171 cw(c-4.331,-58.171) -4.331,-57.421 cw(c-4.331,-58.221) -3.531,-58.221 -3.531,-58.821 cw(c-4.281,-58.821) -4.281,-59.571
  region net NetL3_2: 6.76,-48.23 6.76,-47.57 7.12,-47.21 7.12,-46.55 6.49,-46.55 6.48,-46.56 6.48,-47.48 6.51,-47.51 6.51,-48.12
  region net NetL3_1: 5.77,-48.25 5.77,-47.31 5.62,-47.16 5.62,-46.64 4.99,-46.64 4.98,-46.63 4.98,-47.09 5.52,-47.63 5.52,-47.88
  region net SYS_VBUS: 5.18,-48.62 3.31,-48.62 3.27,-48.58 3.27,-47.84 4.17,-47.84 4.29,-47.72 5.17,-47.72
  region net SOC_4.1V: 7.07,-48.61 8.28,-48.61 8.31,-48.58 8.32,-48.59 8.59,-48.59 8.6,-48.58 10.23,-48.58 10.24,-48.57 10.24,-47.83 10.2,-47.79 10.19,-47.8 8.2,-47.8 8.12,-47.72 7.03,-47.72 7.02,-47.73
  region net SOC_4.1V: 0.156,-25.736 -0.53,-25.05 -0.53,-24.5 -0.6,-24.5 -0.67,-24.57 -0.67,-25.45 -0.006,-26.114
  region net SYS_VBUS: -21.7,-58 -20.5,-59.2 -17.4,-59.2 -17.2,-59 -17.2,-56.5 -17.3,-56.4 -19.8,-56.4 -20,-56.2 -20,-55.4 -20.2,-55.2 -21.6,-55.2 -21.7,-55.3
  region net SYS_VBAT: -17.4,-55.2 -17.4,-55 -17.8,-54.6 -17.8,-53.1 -18.3,-52.6 -19.7,-52.6 -20.2,-53.1 -20.2,-54.3 -19.3,-55.2
  region net NetD4_1: -12.85,-30.4 -13.55,-31.1 -13.55,-33.5 -15,-34.95 -19.7,-34.95 -19.7,-35.3 -19.15,-35.85 -8.75,-35.85 -7.85,-34.95 -7.85,-30.4
  region net VCC_HV: -19.35,-16.45 -21.25,-16.45 -21.7,-16.9 -21.7,-17.75 -20.95,-17.75 -20.95,-17 -20.7,-16.75 -19.35,-16.75